# KiCad board _SHEGO75-V2.1.kicad_pcb
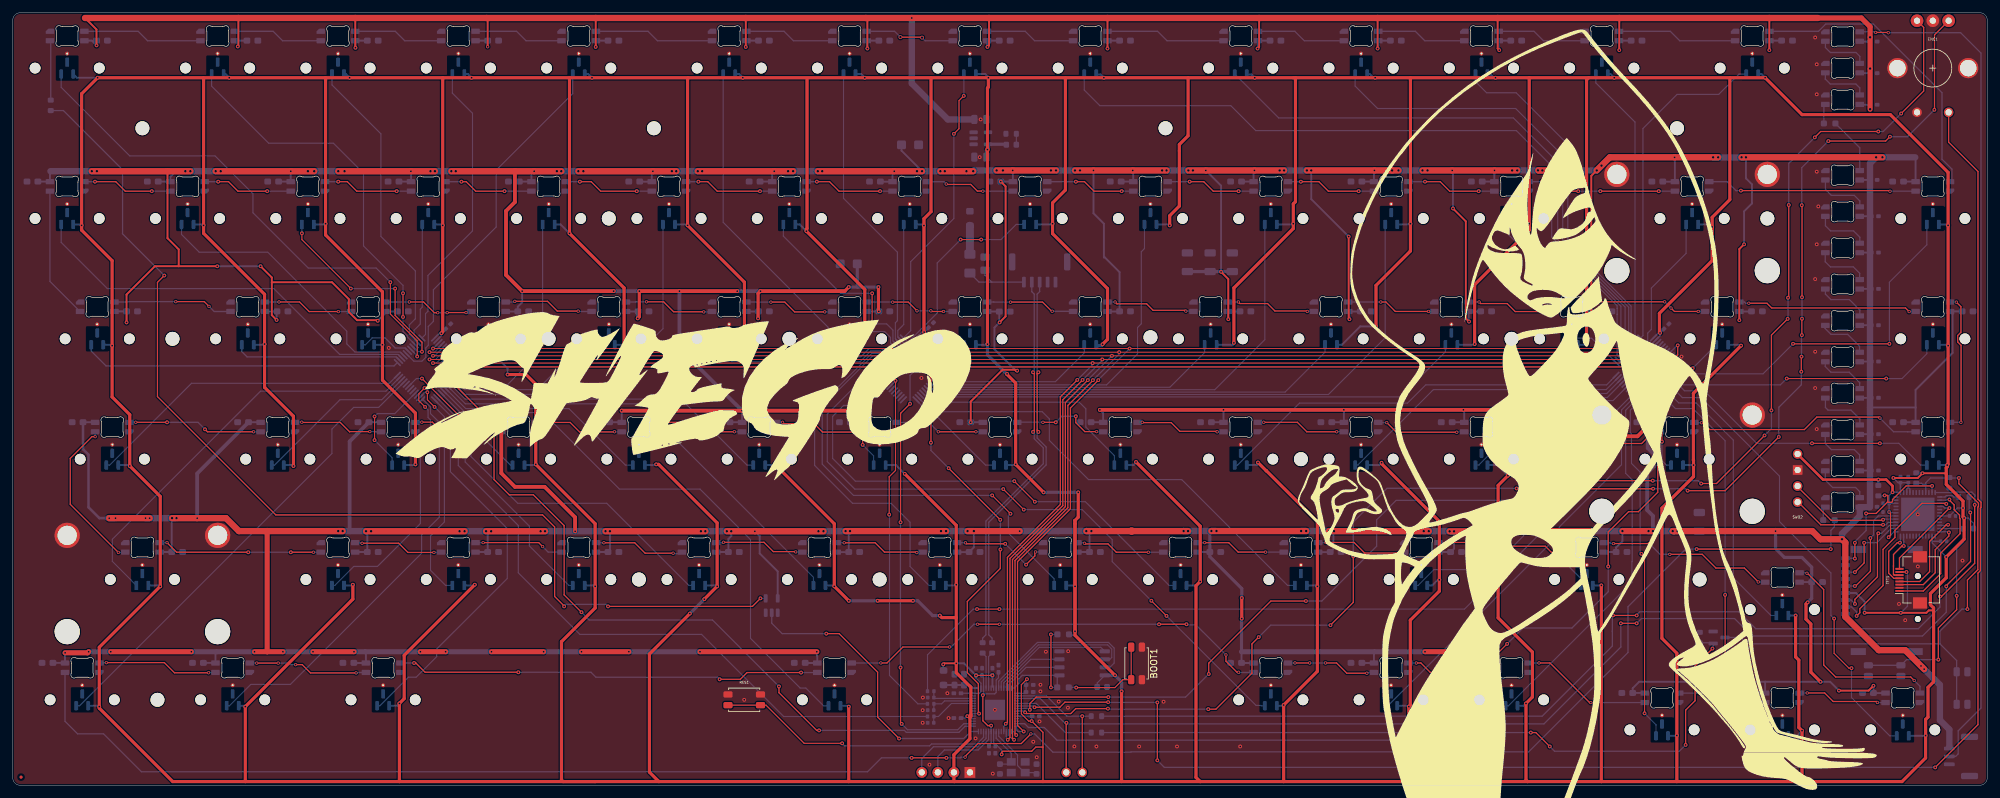
[diagram p0: board, top side]
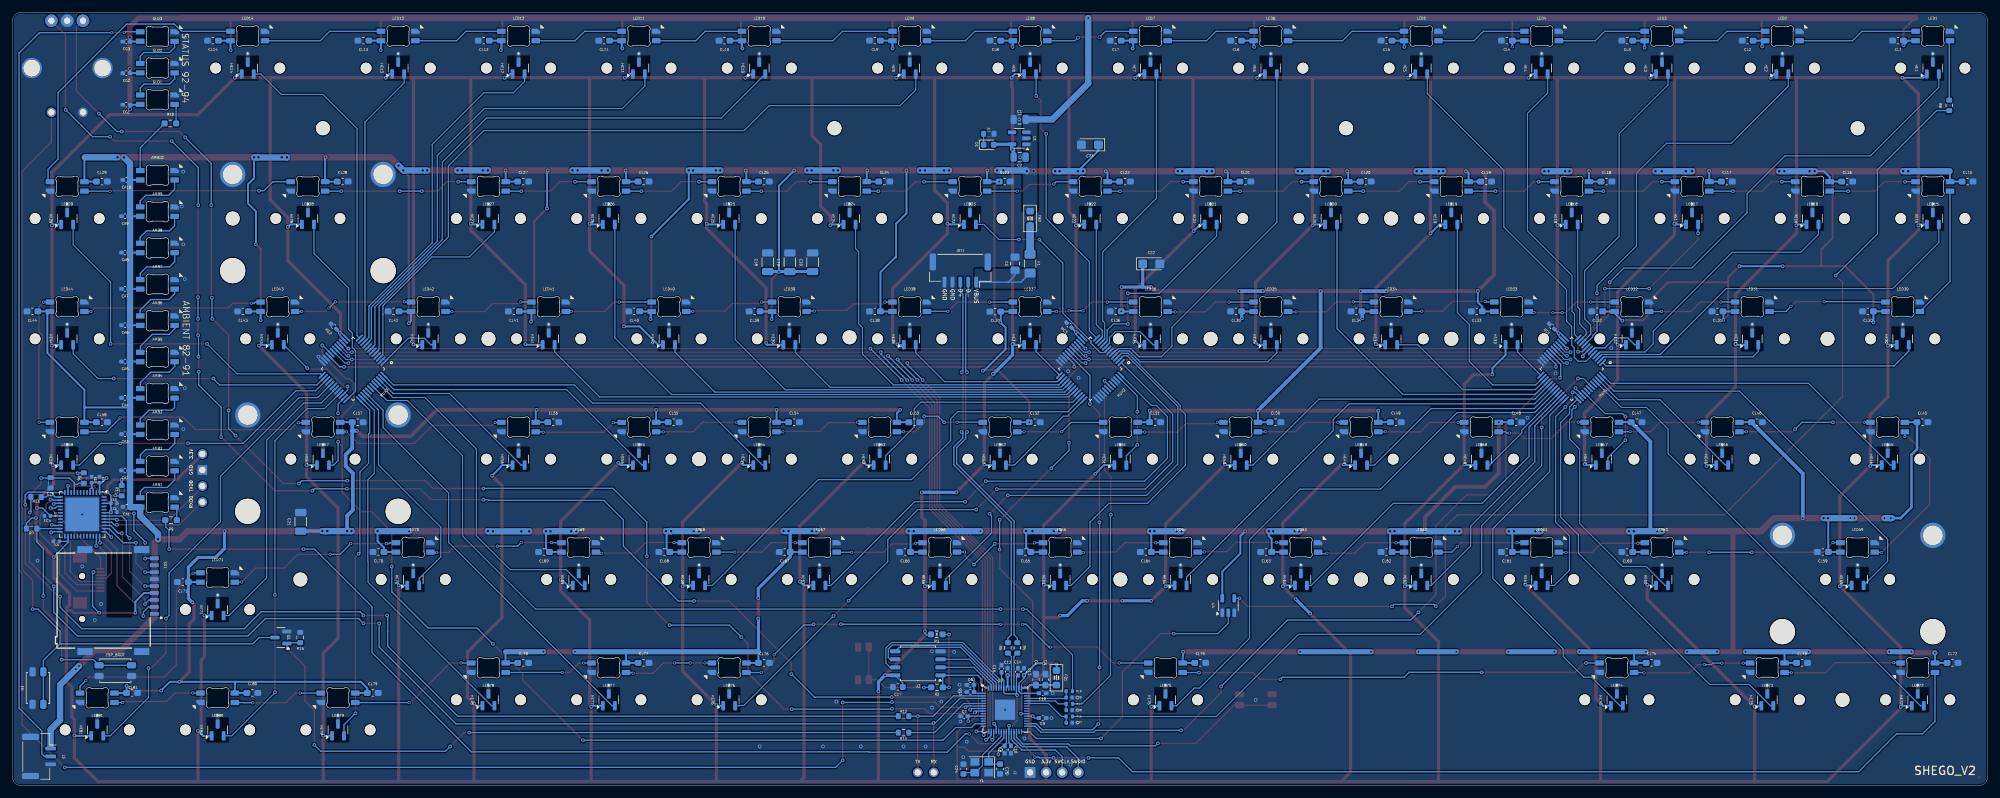
[diagram p1: board, bottom side, seen from below]

Outline 312.54 x 122.34 mm; copper layers: Top, Bottom. Coordinates in mm from the lower left corner of the outline.
Outline path: 0,121.09 arc(0.37,121.97) 1.25,122.34 311.29,122.34 arc(312.17,121.97) 312.54,121.09 312.54,1.25 arc(312.17,0.37) 311.29,0 1.25,0 arc(0.37,0.37) 0,1.25 0,121.09

## Placement (name value [footprint] x y rotation side)
AMB1  SK6812  [LED_6028R]  289.62 44.8 0 bottom
AMB2  SK6812  [LED_6028R]  289.62 50.55 0 bottom
AMB3  SK6812  [LED_6028R]  289.62 56.31 0 bottom
AMB4  SK6812  [LED_6028R]  289.62 62.06 0 bottom
AMB5  SK6812  [LED_6028R]  289.62 67.82 0 bottom
AMB6  SK6812  [LED_6028R]  289.62 73.57 0 bottom
AMB7  SK6812  [LED_6028R]  289.62 79.33 0 bottom
AMB8  SK6812  [LED_6028R]  289.62 85.08 0 bottom
AMB9  SK6812  [LED_6028R]  289.62 90.83 0 bottom
AMB10  SK6812  [LED_6028R]  289.62 96.59 0 bottom
BOOT1  BOOTSEL  [SW_SPST_EVQP2_MiddlePushTravel_H2.5mm]  177.88 19.31 270 top
C1  4.7uF  [C_0805_2012Metric]  153.16 105.43 0 bottom
C2  10uF  [C_0805_2012Metric]  153.16 99.46 180 bottom
C3  10uF  [C_0603_1608Metric_Pad1.08x0.95mm_HandSolder]  149.07 16.74 90 bottom
C4  0.1uF  [C_0603_1608Metric_Pad1.08x0.95mm_HandSolder]  150.57 16.74 90 bottom
C5  1uF  [C_0805_2012Metric_Pad1.18x1.45mm_HandSolder]  153.89 82.6 90 bottom
C6  0.1u  [C_0402_1005Metric_Pad0.74x0.62mm_HandSolder]  160.96 15.91 0 bottom
C7  0.1u  [C_0402_1005Metric_Pad0.74x0.62mm_HandSolder]  161.93 10.95 0 bottom
C8  0.1u  [C_0402_1005Metric_Pad0.74x0.62mm_HandSolder]  155.53 5.66 270 bottom
C9  0.1u  [C_0402_1005Metric_Pad0.74x0.62mm_HandSolder]  149.53 10.66 180 bottom
C10  0.1u  [C_0402_1005Metric_Pad0.74x0.62mm_HandSolder]  149.53 14.58 180 bottom
C11  0.1u  [C_0402_1005Metric_Pad0.74x0.62mm_HandSolder]  152.48 17.98 90 bottom
C12  0.1u  [C_0402_1005Metric_Pad0.74x0.62mm_HandSolder]  155.07 17.98 90 bottom
C13  1u  [C_0402_1005Metric_Pad0.74x0.62mm_HandSolder]  160.96 14.78 0 bottom
C14  1u  [C_0402_1005Metric_Pad0.74x0.62mm_HandSolder]  153.44 17.98 90 bottom
C15  0.1u  [C_0402_1005Metric_Pad0.74x0.62mm_HandSolder]  156.03 18.47 90 bottom
C16  0.1u  [C_0402_1005Metric_Pad0.74x0.62mm_HandSolder]  154.53 5.66 270 bottom
C17  0.1u  [C_0603_1608Metric]  172.43 15.57 0 bottom
C18  0.1u  [C_1206_3216Metric]  193.04 82.82 90 bottom
C19  10uF  [C_1206_3216Metric]  189.53 82.82 90 bottom
C20  10uF  [C_1206_3216Metric]  185.92 82.82 90 bottom
C21  47uF  [C_1206_3216Metric]  266.95 41.72 90 bottom
C22  47uF  [CP_EIA-3216-12_Kemet-S]  132.33 82.57 180 bottom
C23  47uF  [CP_EIA-3216-12_Kemet-S]  142.03 101.41 0 bottom
C24  30p  [C_0603_1608Metric]  162.05 2.59 270 bottom
C25  30p  [C_0603_1608Metric]  156.26 2.59 90 bottom
C26  0.1u  [R_0603]  306.53 47.91 270 bottom
C27  0.1u  [C_0402]  145.3 9.91 180 bottom
C28  0.1u  [C_0402]  145.3 11.91 180 bottom
C29  0.1u  [C_0402]  145.32 13.91 180 bottom
CA1  0.1uF  [C_0402_1005Metric_Pad0.74x0.62mm_HandSolder]  294.51 44.1 0 bottom
CA2  0.1uF  [C_0402_1005Metric_Pad0.74x0.62mm_HandSolder]  294.74 49.85 0 bottom
CA3  0.1uF  [C_0402_1005Metric_Pad0.74x0.62mm_HandSolder]  294.74 55.6 0 bottom
CA4  0.1uF  [C_0402_1005Metric_Pad0.74x0.62mm_HandSolder]  294.74 61.35 0 bottom
CA5  0.1uF  [C_0402_1005Metric_Pad0.74x0.62mm_HandSolder]  294.74 67.1 0 bottom
CA6  0.1uF  [C_0402_1005Metric_Pad0.74x0.62mm_HandSolder]  294.74 72.85 0 bottom
CA7  0.1uF  [C_0402_1005Metric_Pad0.74x0.62mm_HandSolder]  294.74 78.6 0 bottom
CA8  0.1uF  [C_0402_1005Metric_Pad0.74x0.62mm_HandSolder]  294.74 84.35 0 bottom
CA9  0.1uF  [C_0402_1005Metric_Pad0.74x0.62mm_HandSolder]  294.74 90.1 0 bottom
CA10  0.1uF  [C_0402_1005Metric_Pad0.74x0.62mm_HandSolder]  294.53 95.86 0 bottom
CG1  0.1uF  [C_0402_1005Metric_Pad0.74x0.62mm_HandSolder]  294.53 107.76 0 bottom
CG2  0.1uF  [C_0402_1005Metric_Pad0.74x0.62mm_HandSolder]  294.53 112.76 0 bottom
CG3  0.1uF  [C_0402_1005Metric_Pad0.74x0.62mm_HandSolder]  294.53 117.76 0 bottom
CL1  0.1u  [C_0603_1608Metric_Pad1.08x0.95mm_HandSolder]  14.13 117.91 0 bottom
CL2  0.1u  [C_0603_1608Metric_Pad1.08x0.95mm_HandSolder]  37.94 117.91 0 bottom
CL3  0.1u  [C_0603_1608Metric_Pad1.08x0.95mm_HandSolder]  56.99 117.91 0 bottom
CL4  0.1u  [C_0603_1608Metric_Pad1.08x0.95mm_HandSolder]  76.04 117.91 0 bottom
CL5  0.1u  [C_0603_1608Metric_Pad1.08x0.95mm_HandSolder]  95.09 117.91 0 bottom
CL6  0.1u  [C_0603_1608Metric_Pad1.08x0.95mm_HandSolder]  118.91 117.91 0 bottom
CL7  0.1u  [C_0603_1608Metric_Pad1.08x0.95mm_HandSolder]  137.96 117.91 0 bottom
CL8  0.1u  [C_0603_1608Metric_Pad1.08x0.95mm_HandSolder]  157.01 117.91 0 bottom
CL9  0.1u  [C_0603_1608Metric_Pad1.08x0.95mm_HandSolder]  176.06 117.91 0 bottom
CL10  0.1u  [C_0603_1608Metric_Pad1.08x0.95mm_HandSolder]  199.87 117.91 0 bottom
CL11  0.1u  [C_0603_1608Metric_Pad1.08x0.95mm_HandSolder]  218.92 117.91 0 bottom
CL12  0.1u  [C_0603_1608Metric_Pad1.08x0.95mm_HandSolder]  237.97 117.91 0 bottom
CL13  0.1u  [C_0603_1608Metric_Pad1.08x0.95mm_HandSolder]  257.02 117.91 0 bottom
CL14  0.1u  [C_0603_1608Metric_Pad1.08x0.95mm_HandSolder]  280.83 117.91 0 bottom
CL15  0.1u  [C_0603_1608Metric_Pad1.08x0.95mm_HandSolder]  3.13 95.59 180 bottom
CL16  0.1u  [C_0603_1608Metric_Pad1.08x0.95mm_HandSolder]  22.18 95.59 180 bottom
CL17  0.1u  [C_0603_1608Metric_Pad1.08x0.95mm_HandSolder]  41.23 95.59 180 bottom
CL18  0.1u  [C_0603_1608Metric_Pad1.08x0.95mm_HandSolder]  60.28 95.59 180 bottom
CL19  0.1u  [C_0603_1608Metric_Pad1.08x0.95mm_HandSolder]  79.33 95.59 180 bottom
CL20  0.1u  [C_0603_1608Metric_Pad1.08x0.95mm_HandSolder]  98.38 95.59 180 bottom
CL21  0.1u  [C_0603_1608Metric_Pad1.08x0.95mm_HandSolder]  117.43 95.59 180 bottom
CL22  0.1u  [C_0603_1608Metric_Pad1.08x0.95mm_HandSolder]  136.48 95.59 180 bottom
CL23  0.1u  [C_0603_1608Metric_Pad1.08x0.95mm_HandSolder]  155.53 95.59 180 bottom
CL24  0.1u  [C_0603_1608Metric_Pad1.08x0.95mm_HandSolder]  174.58 95.59 180 bottom
CL25  0.1u  [C_0603_1608Metric_Pad1.08x0.95mm_HandSolder]  193.63 95.59 180 bottom
CL26  0.1u  [C_0603_1608Metric_Pad1.08x0.95mm_HandSolder]  212.68 95.59 180 bottom
CL27  0.1u  [C_0603_1608Metric_Pad1.08x0.95mm_HandSolder]  231.73 95.59 180 bottom
CL28  0.1u  [C_0603_1608Metric_Pad1.08x0.95mm_HandSolder]  260.31 95.59 180 bottom
CL29  0.1u  [C_0603_1608Metric_Pad1.08x0.95mm_HandSolder]  298.41 95.59 180 bottom
CL30  0.1u  [C_0603_1608Metric_Pad1.08x0.95mm_HandSolder]  18.89 75.04 0 bottom
CL31  0.1u  [C_0603_1608Metric_Pad1.08x0.95mm_HandSolder]  42.71 75.04 0 bottom
CL32  0.1u  [C_0603_1608Metric_Pad1.08x0.95mm_HandSolder]  61.76 75.04 0 bottom
CL33  0.1u  [C_0603_1608Metric_Pad1.08x0.95mm_HandSolder]  80.81 75.04 0 bottom
CL34  0.1u  [C_0603_1608Metric_Pad1.08x0.95mm_HandSolder]  99.86 75.04 0 bottom
CL35  0.1u  [C_0603_1608Metric_Pad1.08x0.95mm_HandSolder]  118.91 75.04 0 bottom
CL36  0.1u  [C_0603_1608Metric_Pad1.08x0.95mm_HandSolder]  137.96 75.04 0 bottom
CL37  0.1u  [C_0603_1608Metric_Pad1.08x0.95mm_HandSolder]  157.01 75.01 0 bottom
CL38  0.1u  [C_0603_1608Metric_Pad1.08x0.95mm_HandSolder]  176.06 75.04 0 bottom
CL39  0.1u  [C_0603_1608Metric_Pad1.08x0.95mm_HandSolder]  195.11 75.04 0 bottom
CL40  0.1u  [C_0603_1608Metric_Pad1.08x0.95mm_HandSolder]  214.16 75.04 0 bottom
CL41  0.1u  [C_0603_1608Metric_Pad1.08x0.95mm_HandSolder]  233.21 75.04 0 bottom
CL42  0.1u  [C_0603_1608Metric_Pad1.08x0.95mm_HandSolder]  252.26 75.04 0 bottom
CL43  0.1u  [C_0603_1608Metric_Pad1.08x0.95mm_HandSolder]  276.07 75.04 0 bottom
CL44  0.1u  [C_0603_1608Metric_Pad1.08x0.95mm_HandSolder]  309.41 75.04 0 bottom
CL45  0.1u  [C_0603_1608Metric_Pad1.08x0.95mm_HandSolder]  10.28 57.49 180 bottom
CL46  0.1u  [C_0603_1608Metric_Pad1.08x0.95mm_HandSolder]  36.47 57.49 180 bottom
CL47  0.1u  [C_0603_1608Metric_Pad1.08x0.95mm_HandSolder]  55.52 57.49 180 bottom
CL48  0.1u  [C_0603_1608Metric_Pad1.08x0.95mm_HandSolder]  74.57 57.49 180 bottom
CL49  0.1u  [C_0603_1608Metric_Pad1.08x0.95mm_HandSolder]  93.62 57.49 180 bottom
CL50  0.1u  [C_0603_1608Metric_Pad1.08x0.95mm_HandSolder]  112.67 57.49 180 bottom
CL51  0.1u  [C_0603_1608Metric_Pad1.08x0.95mm_HandSolder]  131.72 57.49 180 bottom
CL52  0.1u  [C_0603_1608Metric_Pad1.08x0.95mm_HandSolder]  150.77 57.49 180 bottom
CL53  0.1u  [C_0603_1608Metric_Pad1.08x0.95mm_HandSolder]  169.82 57.49 180 bottom
CL54  0.1u  [C_0603_1608Metric_Pad1.08x0.95mm_HandSolder]  188.87 57.49 180 bottom
CL55  0.1u  [C_0603_1608Metric_Pad1.08x0.95mm_HandSolder]  207.92 57.49 180 bottom
CL56  0.1u  [C_0603_1608Metric_Pad1.08x0.95mm_HandSolder]  226.97 57.49 180 bottom
CL57  0.1u  [C_0603_1608Metric_Pad1.08x0.95mm_HandSolder]  257.93 57.49 180 bottom
CL58  0.1u  [C_0603_1608Metric_Pad1.08x0.95mm_HandSolder]  298.41 57.49 180 bottom
CL59  0.1u  [C_0603_1608Metric_Pad1.08x0.95mm_HandSolder]  26.04 36.94 0 bottom
CL60  0.1u  [C_0603_1608Metric_Pad1.08x0.95mm_HandSolder]  56.99 36.94 0 bottom
CL61  0.1u  [C_0603_1608Metric_Pad1.08x0.95mm_HandSolder]  76.04 36.94 0 bottom
CL62  0.1u  [C_0603_1608Metric_Pad1.08x0.95mm_HandSolder]  95.09 36.94 0 bottom
CL63  0.1u  [C_0603_1608Metric_Pad1.08x0.95mm_HandSolder]  114.14 36.94 0 bottom
CL64  0.1u  [C_0603_1608Metric_Pad1.08x0.95mm_HandSolder]  133.19 36.94 0 bottom
CL65  0.1u  [C_0603_1608Metric_Pad1.08x0.95mm_HandSolder]  152.24 36.94 0 bottom
CL66  0.1u  [C_0603_1608Metric_Pad1.08x0.95mm_HandSolder]  171.29 36.94 0 bottom
CL67  0.1u  [C_0603_1608Metric_Pad1.08x0.95mm_HandSolder]  190.34 36.94 0 bottom
CL68  0.1u  [C_0603_1608Metric_Pad1.08x0.95mm_HandSolder]  209.39 36.94 0 bottom
CL69  0.1u  [C_0603_1608Metric_Pad1.08x0.95mm_HandSolder]  228.44 36.94 0 bottom
CL70  0.1u  [C_0603_1608Metric_Pad1.08x0.95mm_HandSolder]  254.64 36.94 0 bottom
CL71  0.1u  [C_0603_1608Metric_Pad1.08x0.95mm_HandSolder]  285.59 32.18 0 bottom
CL72  0.1u  [C_0603_1608Metric_Pad1.08x0.95mm_HandSolder]  5.51 19.39 180 bottom
CL73  0.1u  [C_0603_1608Metric_Pad1.08x0.95mm_HandSolder]  29.33 19.39 180 bottom
CL74  0.1u  [C_0603_1608Metric_Pad1.08x0.95mm_HandSolder]  53.14 19.39 180 bottom
CL75  0.1u  [C_0603_1608Metric_Pad1.08x0.95mm_HandSolder]  124.58 19.39 180 bottom
CL76  0.1u  [C_0603_1608Metric_Pad1.08x0.95mm_HandSolder]  193.63 19.39 180 bottom
CL77  0.1u  [C_0603_1608Metric_Pad1.08x0.95mm_HandSolder]  212.68 19.39 180 bottom
CL78  0.1u  [C_0603_1608Metric_Pad1.08x0.95mm_HandSolder]  231.73 19.39 180 bottom
CL79  0.1u  [C_0603_1608Metric_Pad1.08x0.95mm_HandSolder]  255.54 14.63 180 bottom
CL80  0.1u  [C_0603_1608Metric_Pad1.08x0.95mm_HandSolder]  274.59 14.63 180 bottom
CL81  0.1u  [C_0603_1608Metric_Pad1.08x0.95mm_HandSolder]  293.64 14.63 180 bottom
D1  RED  [LED_0603_1608Metric]  158.06 101.43 180 bottom
EC1  0.1u  [C_0402]  298.78 48.41 90 bottom
EC2  0.1u  [C_0402]  300.03 48.41 90 bottom
EC3  0.1u  [C_0402]  296.51 44.66 180 bottom
EC4  1u  [C_0402]  307.03 42.66 0 bottom
EC5  10u  [C_0402]  296.51 43.28 180 bottom
EC6  1u  [C_0402]  305.62 38.64 0 bottom
EN  ESP_EN  [SW_SPST_EVQP2_MiddlePushTravel_H2.5mm]  308.53 15.41 90 bottom
ENC1  RotaryEncoder_Switch_MP  [RotaryEncoder_Alps_EC11E_Vertical_H20mm_CircularMountingHoles]  303.91 113.56 0 top
ESP_BOOT  ESP_BOOT  [SW_SPST_EVQP2_MiddlePushTravel_H2.5mm]  296.28 18.16 180 bottom
F1  1.1A  [Fuse_1206_3216Metric_Pad1.42x1.75mm_HandSolder]  151.51 82.6 90 bottom
FB1  600R  [Ferrite_0805_2012Metric_Pad1.05x1.20mm_BigPads]  147.33 17.04 270 bottom
FB2  600R  [Ferrite_0805_2012Metric_Pad1.05x1.20mm_BigPads]  151.51 89.74 90 bottom
G***  -  [LOGO]  245.19 63.78 0 top
G***#2  -  [LOGO]  106.15 61.7 0 top
GLO1  SK6812  [LED_6028R]  289.62 108.56 0 bottom
GLO2  SK6812  [LED_6028R]  289.62 113.56 0 bottom
GLO3  SK6812  [LED_6028R]  289.62 118.56 0 bottom
HE1  Esc  [SW_MX_HE_90deg_1u]  8.63 113.56 180 bottom
HE2  F1  [SW_MX_HE_90deg_1u]  32.44 113.56 180 bottom
HE3  F2  [SW_MX_HE_90deg_1u]  51.49 113.56 180 bottom
HE4  F3  [SW_MX_HE_90deg_1u]  70.54 113.56 180 bottom
HE5  F4  [SW_MX_HE_90deg_1u]  89.59 113.56 180 bottom
HE6  F5  [SW_MX_HE_90deg_1u]  113.41 113.56 180 bottom
HE7  F6  [SW_MX_HE_90deg_1u]  132.46 113.56 180 bottom
HE8  F7  [SW_MX_HE_90deg_1u]  151.51 113.56 180 bottom
HE9  F8  [SW_MX_HE_90deg_1u]  170.56 113.56 180 bottom
HE10  F9  [SW_MX_HE_90deg_1u]  194.37 113.56 180 bottom
HE11  F10  [SW_MX_HE_90deg_1u]  213.42 113.56 180 bottom
HE12  F11  [SW_MX_HE_90deg_1u]  232.47 113.56 180 bottom
HE13  F12  [SW_MX_HE_90deg_1u]  251.52 113.56 180 bottom
HE14  Del  [SW_MX_HE_90deg_1u]  275.33 113.56 180 bottom
HE15  `¬  [SW_MX_HE_90deg_1u]  8.63 89.74 180 bottom
HE16  1  [SW_MX_HE_90deg_1u]  27.68 89.74 180 bottom
HE17  2  [SW_MX_HE_90deg_1u]  46.73 89.74 180 bottom
HE18  3  [SW_MX_HE_90deg_1u]  65.78 89.74 180 bottom
HE19  4  [SW_MX_HE_90deg_1u]  84.83 89.74 180 bottom
HE20  5  [SW_MX_HE_90deg_1u]  103.88 89.74 180 bottom
HE21  6  [SW_MX_HE_90deg_1u]  122.93 89.74 180 bottom
HE22  7  [SW_MX_HE_90deg_1u]  141.98 89.74 180 bottom
HE23  8  [SW_MX_HE_90deg_1u]  161.03 89.74 180 bottom
HE24  9  [SW_MX_HE_90deg_1u]  180.08 89.74 180 bottom
HE25  0  [SW_MX_HE_90deg_1u]  199.13 89.74 180 bottom
HE26  -  [SW_MX_HE_90deg_1u]  218.18 89.74 180 bottom
HE27  =  [SW_MX_HE_90deg_1u]  237.23 89.74 180 bottom
HE28  Back  [SW_MX_HE_90deg_2.00u]  265.81 89.74 180 bottom
HE29  Home  [SW_MX_HE_90deg_1u]  303.91 89.74 180 bottom
HE30  Tab  [SW_MX_HE_90deg_1.5u]  13.39 70.69 180 bottom
HE31  Q  [SW_MX_HE_90deg_1u]  37.21 70.69 180 bottom
HE32  W  [SW_MX_HE_90deg_1u]  56.26 70.69 180 bottom
HE33  E  [SW_MX_HE_90deg_1u]  75.31 70.69 180 bottom
HE34  R  [SW_MX_HE_90deg_1u]  94.36 70.69 180 bottom
HE35  T  [SW_MX_HE_90deg_1u]  113.41 70.69 180 bottom
HE36  Y  [SW_MX_HE_90deg_1u]  132.46 70.69 180 bottom
HE37  U  [SW_MX_HE_90deg_1u]  151.51 70.69 180 bottom
HE38  I  [SW_MX_HE_90deg_1u]  170.56 70.69 180 bottom
HE39  O  [SW_MX_HE_90deg_1u]  189.61 70.69 180 bottom
HE40  P  [SW_MX_HE_90deg_1u]  208.66 70.69 180 bottom
HE41  [  [SW_MX_HE_90deg_1u]  227.71 70.69 180 bottom
HE42  ]  [SW_MX_HE_90deg_1u]  246.76 70.69 180 bottom
HE43  \  [SW_MX_HE_90deg_1.5u]  270.57 70.69 180 bottom
HE44  PgUp  [SW_MX_HE_90deg_1u]  303.91 70.69 180 bottom
HE45  Caps  [SW_MX_HE_90deg_1.75u]  15.78 51.64 180 bottom
HE46  A  [SW_MX_HE_90deg_1u]  41.97 51.64 180 bottom
HE47  S  [SW_MX_HE_90deg_1u]  61.02 51.64 180 bottom
HE48  D  [SW_MX_HE_90deg_1u]  80.07 51.64 180 bottom
HE49  F  [SW_MX_HE_90deg_1u]  99.12 51.64 180 bottom
HE50  G  [SW_MX_HE_90deg_1u]  118.17 51.64 180 bottom
HE51  H  [SW_MX_HE_90deg_1u]  137.22 51.64 180 bottom
HE52  J  [SW_MX_HE_90deg_1u]  156.27 51.64 180 bottom
HE53  K  [SW_MX_HE_90deg_1u]  175.32 51.64 180 bottom
HE54  L  [SW_MX_HE_90deg_1u]  194.37 51.64 180 bottom
HE55  ;  [SW_MX_HE_90deg_1u]  213.42 51.64 180 bottom
HE56  '  [SW_MX_HE_90deg_1u]  232.47 51.64 180 bottom
HE57  Enter  [SW_MX_HE_90deg_2.25u]  263.43 51.64 180 bottom
HE58  PgDn  [SW_MX_HE_90deg_1u]  303.91 51.64 180 bottom
HE59  L_Shift  [SW_MX_HE_90deg_2.25u]  20.54 32.59 180 bottom
HE60  Z  [SW_MX_HE_90deg_1u]  51.49 32.59 180 bottom
HE61  X  [SW_MX_HE_90deg_1u]  70.54 32.59 180 bottom
HE62  C  [SW_MX_HE_90deg_1u]  89.59 32.59 180 bottom
HE63  V  [SW_MX_HE_90deg_1u]  108.64 32.59 180 bottom
HE64  B  [SW_MX_HE_90deg_1u]  127.69 32.59 180 bottom
HE65  N  [SW_MX_HE_90deg_1u]  146.74 32.59 180 bottom
HE66  M  [SW_MX_HE_90deg_1u]  165.79 32.59 180 bottom
HE67  ,  [SW_MX_HE_90deg_1u]  184.84 32.59 180 bottom
HE68  .  [SW_MX_HE_90deg_1u]  203.89 32.59 180 bottom
HE69  /  [SW_MX_HE_90deg_1u]  222.94 32.59 180 bottom
HE70  R_Shift  [SW_MX_HE_90deg_1.75u]  249.14 32.59 180 bottom
HE71  Up  [SW_MX_HE_90deg_1u]  280.09 27.83 180 bottom
HE72  L_Ctrl  [SW_MX_HE_90deg_1.25u]  11.01 13.54 180 bottom
HE73  Code  [SW_MX_HE_90deg_1.25u]  34.83 13.54 180 bottom
HE74  L_alt  [SW_MX_HE_90deg_1.25u]  58.64 13.54 180 bottom
HE75  Space  [SW_MX_HE_90deg_6.25u]  130.08 13.54 180 bottom
HE76  R_Alt  [SW_MX_HE_90deg_1u]  199.13 13.54 180 bottom
HE77  Fn  [SW_MX_HE_90deg_1u]  218.18 13.54 180 bottom
HE78  R_Ctrl  [SW_MX_HE_90deg_1u]  237.23 13.54 180 bottom
HE79  Left  [SW_MX_HE_90deg_1u]  261.04 8.78 180 bottom
HE80  Down  [SW_MX_HE_90deg_1u]  280.09 8.78 180 bottom
HE81  Right  [SW_MX_HE_90deg_1u]  299.14 8.78 180 bottom
J1  DEBUG  [DebugPinHeader_1x04_P2.54mm]  151.51 2.05 90 bottom
J3  LED_EXP  [JST_GH_SM03B-GHS-TB_1x03-1MP_P1.25mm_Horizontal]  308.37 4.58 270 bottom
JST1  MOMMY  [JST_GH_SM05B-GHS-TB_1x05-1MP_P1.25mm_Horizontal]  162.55 81.52 0 bottom
LED1  SK6812  [LED_6028R]  8.63 118.64 0 bottom
LED2  SK6812  [LED_6028R]  32.44 118.64 0 bottom
LED3  SK6812  [LED_6028R]  51.49 118.64 0 bottom
LED4  SK6812  [LED_6028R]  70.54 118.64 0 bottom
LED5  SK6812  [LED_6028R]  89.59 118.64 0 bottom
LED6  SK6812  [LED_6028R]  113.41 118.64 0 bottom
LED7  SK6812  [LED_6028R]  132.46 118.64 0 bottom
LED8  SK6812  [LED_6028R]  151.51 118.64 0 bottom
LED9  SK6812  [LED_6028R]  170.56 118.64 0 bottom
LED10  SK6812  [LED_6028R]  194.37 118.64 0 bottom
LED11  SK6812  [LED_6028R]  213.42 118.64 0 bottom
LED12  SK6812  [LED_6028R]  232.47 118.64 0 bottom
LED13  SK6812  [LED_6028R]  251.52 118.64 0 bottom
LED14  SK6812  [LED_6028R]  275.33 118.64 0 bottom
LED15  SK6812  [LED_6028R]  8.63 94.82 180 bottom
LED16  SK6812  [LED_6028R]  27.68 94.82 180 bottom
LED17  SK6812  [LED_6028R]  46.73 94.82 180 bottom
LED18  SK6812  [LED_6028R]  65.78 94.82 180 bottom
LED19  SK6812  [LED_6028R]  84.83 94.82 180 bottom
LED20  SK6812  [LED_6028R]  103.88 94.82 180 bottom
LED21  SK6812  [LED_6028R]  122.93 94.82 180 bottom
LED22  SK6812  [LED_6028R]  141.98 94.82 180 bottom
LED23  SK6812  [LED_6028R]  161.03 94.82 180 bottom
LED24  SK6812  [LED_6028R]  180.08 94.82 180 bottom
LED25  SK6812  [LED_6028R]  199.13 94.82 180 bottom
LED26  SK6812  [LED_6028R]  218.18 94.82 180 bottom
LED27  SK6812  [LED_6028R]  237.23 94.82 180 bottom
LED28  SK6812  [LED_6028R]  265.81 94.82 180 bottom
LED29  SK6812  [LED_6028R]  303.91 94.82 180 bottom
LED30  SK6812  [LED_6028R]  13.39 75.77 0 bottom
LED31  SK6812  [LED_6028R]  37.21 75.77 0 bottom
LED32  SK6812  [LED_6028R]  56.26 75.77 0 bottom
LED33  SK6812  [LED_6028R]  75.31 75.77 0 bottom
LED34  SK6812  [LED_6028R]  94.36 75.77 0 bottom
LED35  SK6812  [LED_6028R]  113.41 75.77 0 bottom
LED36  SK6812  [LED_6028R]  132.46 75.77 0 bottom
LED37  SK6812  [LED_6028R]  151.51 75.77 0 bottom
LED38  SK6812  [LED_6028R]  170.56 75.77 0 bottom
LED39  SK6812  [LED_6028R]  189.61 75.77 0 bottom
LED40  SK6812  [LED_6028R]  208.66 75.77 0 bottom
LED41  SK6812  [LED_6028R]  227.71 75.77 0 bottom
LED42  SK6812  [LED_6028R]  246.76 75.77 0 bottom
LED43  SK6812  [LED_6028R]  270.57 75.77 0 bottom
LED44  SK6812  [LED_6028R]  303.91 75.77 0 bottom
LED45  SK6812  [LED_6028R]  15.78 56.72 180 bottom
LED46  SK6812  [LED_6028R]  41.97 56.72 180 bottom
LED47  SK6812  [LED_6028R]  61.02 56.72 180 bottom
LED48  SK6812  [LED_6028R]  80.07 56.72 180 bottom
LED49  SK6812  [LED_6028R]  99.12 56.72 180 bottom
LED50  SK6812  [LED_6028R]  118.17 56.72 180 bottom
LED51  SK6812  [LED_6028R]  137.22 56.72 180 bottom
LED52  SK6812  [LED_6028R]  156.27 56.72 180 bottom
LED53  SK6812  [LED_6028R]  175.32 56.72 180 bottom
LED54  SK6812  [LED_6028R]  194.37 56.72 180 bottom
LED55  SK6812  [LED_6028R]  213.42 56.72 180 bottom
LED56  SK6812  [LED_6028R]  232.47 56.72 180 bottom
LED57  SK6812  [LED_6028R]  263.43 56.72 180 bottom
LED58  SK6812  [LED_6028R]  303.91 56.72 180 bottom
LED59  SK6812  [LED_6028R]  20.54 37.67 0 bottom
LED60  SK6812  [LED_6028R]  51.49 37.67 0 bottom
LED61  SK6812  [LED_6028R]  70.54 37.67 0 bottom
LED62  SK6812  [LED_6028R]  89.59 37.67 0 bottom
LED63  SK6812  [LED_6028R]  108.64 37.67 0 bottom
LED64  SK6812  [LED_6028R]  127.69 37.67 0 bottom
LED65  SK6812  [LED_6028R]  146.74 37.67 0 bottom
LED66  SK6812  [LED_6028R]  165.79 37.67 0 bottom
LED67  SK6812  [LED_6028R]  184.84 37.67 0 bottom
LED68  SK6812  [LED_6028R]  203.89 37.67 0 bottom
LED69  SK6812  [LED_6028R]  222.94 37.67 0 bottom
LED70  SK6812  [LED_6028R]  249.14 37.67 0 bottom
LED71  SK6812  [LED_6028R]  280.09 32.91 0 bottom
LED72  SK6812  [LED_6028R]  11.01 18.62 180 bottom
LED73  SK6812  [LED_6028R]  34.83 18.62 180 bottom
LED74  SK6812  [LED_6028R]  58.64 18.62 180 bottom
LED75  SK6812  [LED_6028R]  130.08 18.62 180 bottom
LED76  SK6812  [LED_6028R]  199.13 18.62 180 bottom
LED77  SK6812  [LED_6028R]  218.18 18.62 180 bottom
LED78  SK6812  [LED_6028R]  237.23 18.62 180 bottom
LED79  SK6812  [LED_6028R]  261.04 13.86 180 bottom
LED80  SK6812  [LED_6028R]  280.09 13.86 180 bottom
LED81  SK6812  [LED_6028R]  299.14 13.86 180 bottom
MC1  0.1uF  [C_0402_1005Metric_Pad0.74x0.62mm_HandSolder]  68.93 72.66 45 bottom
MC2  0.1uF  [C_0402_1005Metric_Pad0.74x0.62mm_HandSolder]  261.73 72.66 45 bottom
MC3  0.1uF  [C_0402_1005Metric_Pad0.74x0.62mm_HandSolder]  145.33 72.86 45 bottom
MUX1  ADG732BSUZ  [QFP50P900X900X120-49N]  65.78 65.93 315 bottom
MUX2  ADG732BSUZ  [QFP50P900X900X120-49N]  141.98 65.93 315 bottom
MUX3  ADG732BSUZ  [QFP50P900X900X120-49N]  258.66 65.93 315 bottom
Q1  BSS138  [SOT-23]  270.08 23.41 0 bottom
R1  10K  [R_0603]  158.03 103.16 180 bottom
R2  1k  [R_0603_1608Metric_Pad0.98x0.95mm_HandSolder]  166.24 15.51 0 bottom
R3  DNP  [R_0603_1608Metric_Pad0.98x0.95mm_HandSolder]  166.28 23.91 0 bottom
R4  27  [R_0603_1608Metric]  155.02 21.77 270 bottom
R5  27  [R_0603_1608Metric]  153.52 21.77 90 bottom
R6  10K  [R_0603]  301.28 48.66 90 bottom
R7  10K  [R_0603]  309.53 40.66 0 bottom
R8  330  [R_0603_1608Metric]  6.03 107.66 90 bottom
R9  0R  [R_0603_1608Metric_Pad0.98x0.95mm_HandSolder]  287.47 41.99 0 bottom
R10  0R  [R_0603_1608Metric_Pad0.98x0.95mm_HandSolder]  287.57 104.79 180 bottom
R11  10k  [R_0603]  295.28 46.66 90 bottom
R12  47  [R_0603]  171.53 10.96 180 bottom
R13  47  [R_0603]  308.83 45.66 0 bottom
R14  100  [R_0603_1608Metric]  171.53 8.36 0 bottom
R15  100K  [R_0603_1608Metric]  267.03 23.41 270 bottom
R16  100  [R_0402]  145.3 10.91 180 bottom
R17  100  [R_0402]  145.29 12.91 180 bottom
R18  100  [R_0402]  145.3 14.91 180 bottom
REF**  -  [MountingHole_2.2mm_M2]  94.36 89.74 0 top
REF**#2  -  [MountingHole_2.2mm_M2]  22.92 13.54 0 top
REF**#3  -  [STAB_MX_P_2.25u]  263.43 51.64 0 top